# Altium PCB S7CAS-PLEIADES-CARTE-MERE_Pxx.PcbDoc (part 3 of 8)
Units mil, origin at the board's own origin, x right, y up, seen from the top; angles counter-clockwise.
Board outline 8000 x 4000 mil, 14 copper layers (L1, L2 (GND), L3, L4 (GND), L5, L6 (GND), L7 (PWR), L8 (GND), L9 (PWR), L10 (GND), L11 (GND), L12, L13 (GND), L14), stack 81.971 mil thick; 686 components, 434 nets, 2811 pads, 1136 vias.
Unrouted connection lines stored in the file: 1167.
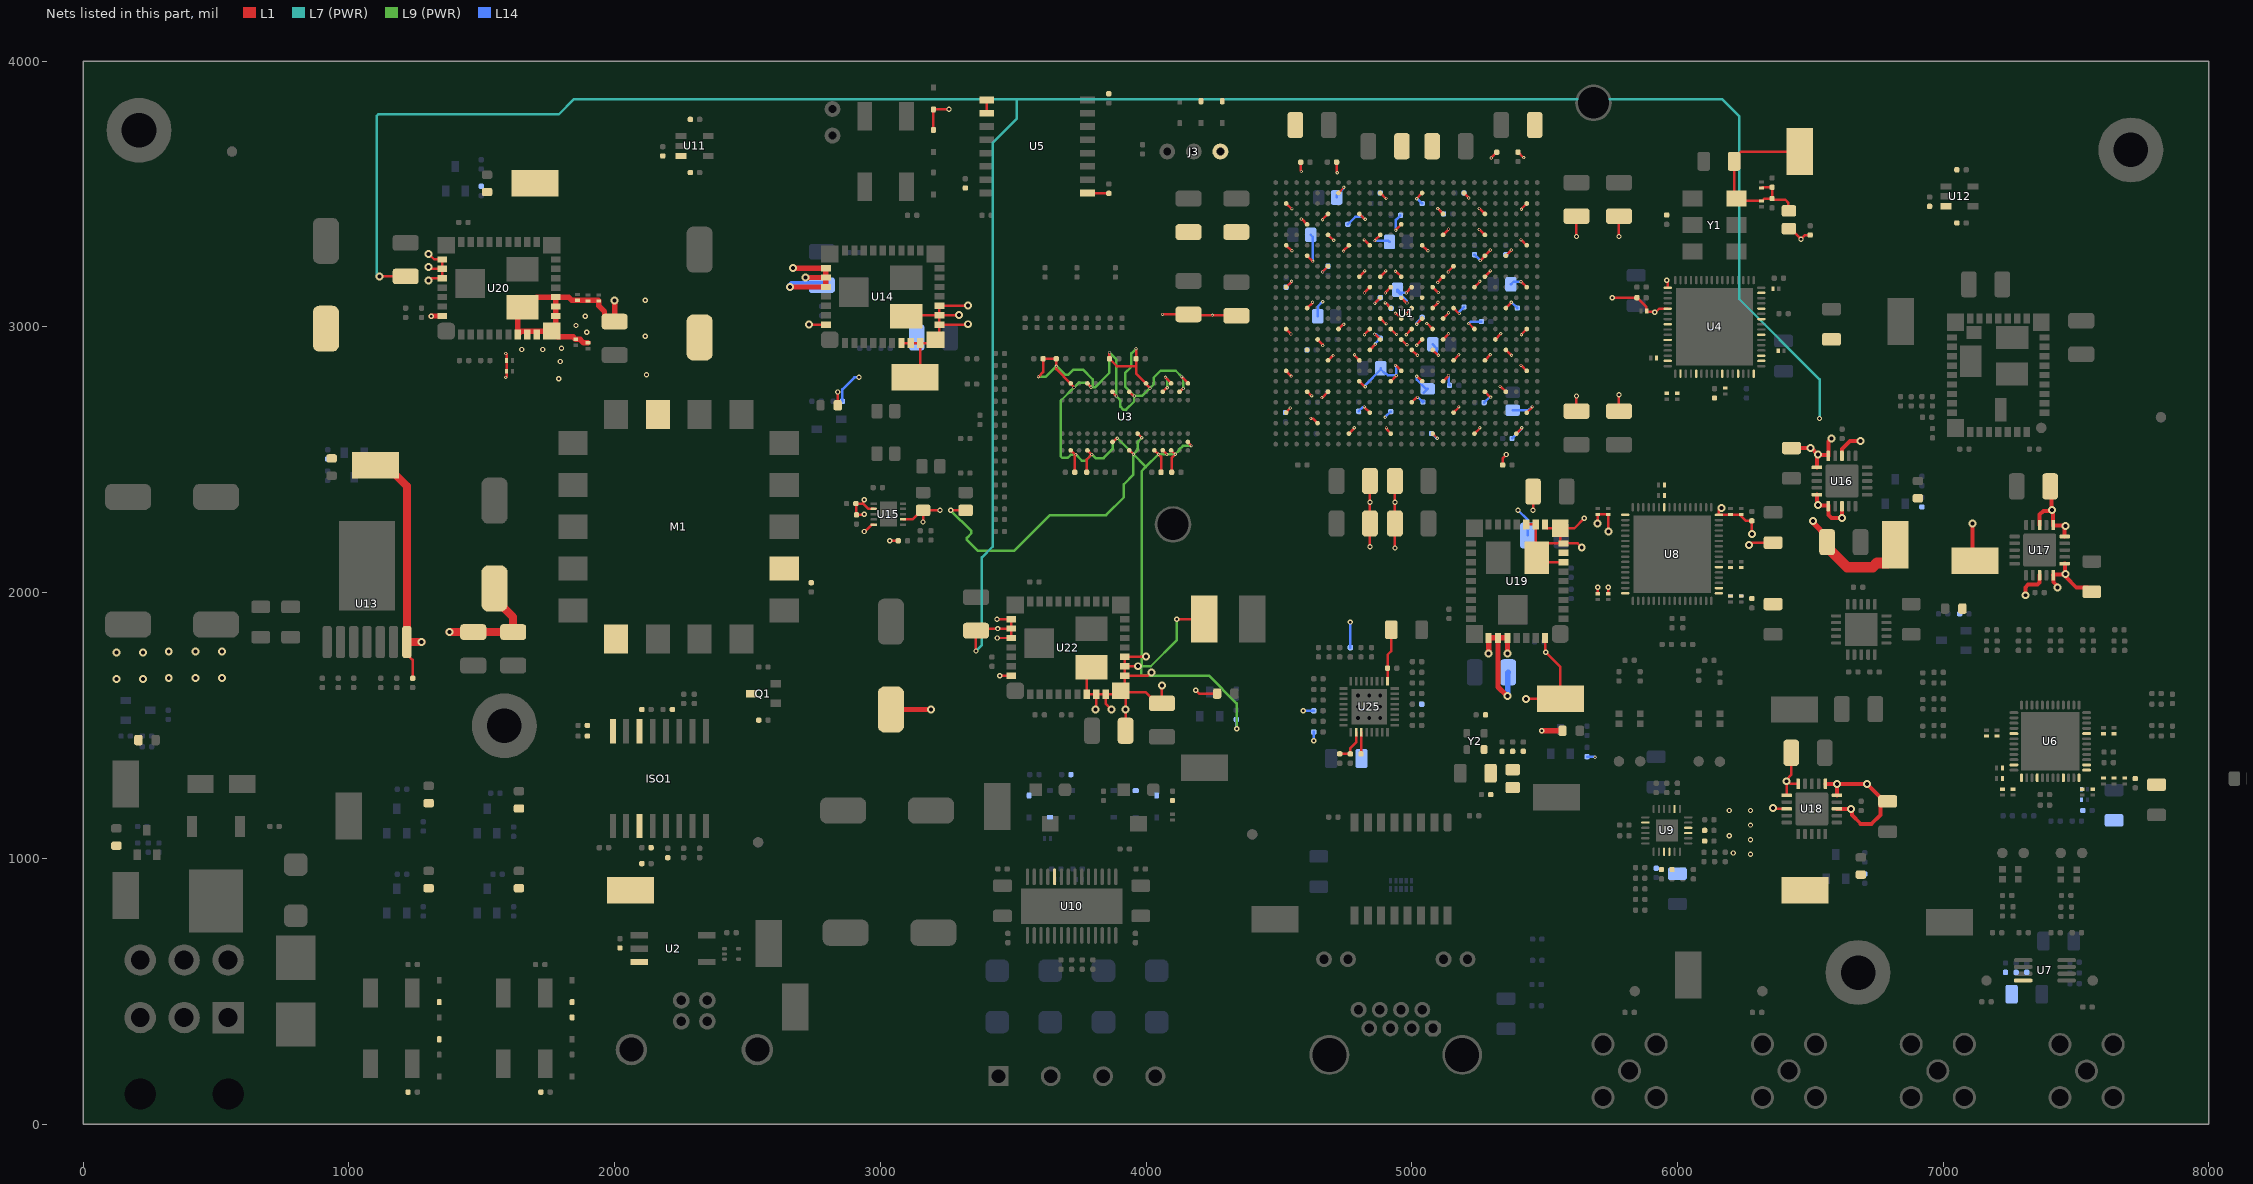
[diagram p14: the nets of this part, all layers, seen from the top]

## Part data (continued)
C192 C193 C194 C195 C196 C197 C226: library part "CAP - 0603", "CAP - 0402", Supplier Part Number 1=GRM188R71H224KAC4D, Voltage=50V, CreatedBy="Jonathan Bouchard", Package=0402, Precision=10%
  C192 C193 C194 C195 C196 C197: Supplier 1="Arrow Electronic"
  C226: Supplier 1="Arrow Electronics"
C198 C199 C235 C247 C250 C259 C267: library part CAP_ALU_MAL215099101E3, "CAP - ALU 100uF 20% 50V - 1010", Current=490mA, Package=1010, Supplier Part Number 1=4399PHDKR-ND, Temperature="-55°C to 125°C", Voltage=50V, CreatedBy="Jonathan Bouchard", HelpURL=http://www.vishay.com/docs/28395/150crz.pdf, Mfg="Vishay Dale", Mfg Part Number=MAL215099101E3, Precision=20%, Supplier 1=Digikey
C211: library part "CAP - 0603", "CAP - 0402", Supplier Part Number 1=80-C0603C102K4R, Voltage=16V, CreatedBy="Jonathan Bouchard", Package=0402, Precision=10%, Supplier 1=Mouser
C221 C229 C245: library part "CAP - 0603", "CAP - 0402", Supplier Part Number 1=GRM188R61H225KE11D, Voltage=50V, CreatedBy="Jonathan Bouchard", Package=0402, Precision=10%, Supplier 1="Arrow Electronics"
C236 C253: library part CAP_ALU_MAL214699501E3, "CAP - ALU 330uF 20% 16V - 1010", Current=750mA, Package=1010, Supplier Part Number 1=4405PHCT-ND, Temperature="-55°C to 125°C", Voltage=16V, CreatedBy="Jonathan Bouchard", HelpURL=http://www.vishay.com/docs/28403/146cti.pdf, Mfg="Vishay Dale", Mfg Part Number=MAL214699501E3, Precision=20%, Supplier 1=Digikey
C237: library part CAP_ALU_MAL214699108E3, "CAP - ALU 470uF 20% 50V - 1616", Current=1.3A, Package=1616, Supplier Part Number 1=4442PHCT-ND, Temperature="-55°C to 125°C", Voltage=50V, CreatedBy="Jonathan Bouchard", HelpURL=http://www.vishay.com/docs/28403/146cti.pdf, Mfg="Vishay Dale", Mfg Part Number=MAL214699108E3, Precision=20%, Supplier 1=Digikey
C249: library part CAP_ALU_MAL215099101E3, "CAP - ALU 100uF 20% 50V - 1010", Current=490mA, Supplier Part Number 1=4399PHDKR-ND, Temperature="-55°C to 125°C", CreatedBy="Jonathan Bouchard", HelpURL=http://www.vishay.com/docs/28395/150crz.pdf, Mfg="Vishay Dale", Mfg Part Number=MAL215099101E3, Supplier 1=Digikey
C284 C285: library part "CAP - 0603", Package=0402, Supplier Part Number 1=GRM188R61H225KE11D, Voltage=50V, CreatedBy="Jonathan Bouchard", Precision=10%, Supplier 1="Arrow Electronics"
C288: library part "CAP - 0603", Package=0402, Supplier Part Number 1=CL10B105MO8NNWC, Voltage=16v, CreatedBy="Jonathan Bouchard", Precision=10%, Supplier 1="Arrow Electronics"
C289 C290 C291 C292 C293: Package=0805, Supplier Part Number 1=CL31A106MBHNNNE, Voltage=50V, CreatedBy="Jonathan Bouchard", Precision=10%, Supplier 1=Avnet
C299 C301: library part "CAP - 0603", Package=0402, Supplier Part Number 1=CL10B104KO8NNNC, Voltage=16V, CreatedBy="Jonathan Bouchard", Precision=10%, Supplier 1="Arrow Electronics"
D1 D2 D3 D5 D6 D7 D12 D13 D14 D15 D16 D17 D22 D23 D24 D25 D26 D27: library part TVS_SP4020-01FTG, "TVS - 3.3VWM 21.8V (Typ) Clamp 30A (8/20µs) Ipp Tvs Diode Surface Mount SOD-323", Supplier Part Number 1=6058247, GRAMS Lib Spec=2.7, Supplier 1="Future Electronics"
D4: library part TVS_USB_TPD2E001DRLR, "TVS - USB TVS DIODE 5.5V - SOT-553", Manufacturer #1="Texas Instruments", Package=SOT-553, Supplier Part Number 1=296-21883-1-ND, Temperature="-40°C ~ 85°C (TA)", Voltage Rating="5.5V (Max)", Assembly Type=SMD, CreatedBy/Date="Jonathan Bouchard 2018-07-10", Cryo=UNKNOWN, GRAMS Lib Spec=2.8, HelpURL=http://www.ti.com/lit/ds/symlink/tpd2e001.pdf, Magnetic Material=YES, Part Number #1=TPD2E001DRLR, Polarized=YES, Supplier 1=Digi-Key, VerifiedBy="Arnaud Samson 16-07-18"
D8 D9 D10 D11 D29: library part TVS_PWR_SMBJ24CA, "TVS - 24V 26.7V 600W - DO214AA", Current Rating=15.5A, Manufacturer #1="Littelfuse Inc.", Package=DO214AA, Power Max=600W, Supplier Part Number 1=SMBJ24CALFCT-ND, Temperature="-65°C ~ 150°C (TJ)", Voltage Rating="24V Standoff", Assembly Type=SMD, CreatedBy/Date="Arnaud Samson - 06/07/18", Cryo=UNKNOWN, GRAMS Lib Spec=2.8, HelpURL=http://www.littelfuse.com/~/media/electronics/datasheets/tvs_diodes/littelfuse_tvs_diode_smbj_datasheet.pdf.pdf, Magnetic Material=UNKNOWN, Part Number #1=SMBJ24CA, Polarized=NO, Supplier 1=Digi-Key, VerifiedBy="Jonathan Bouchard - 2018-07-13"
D18 D19 D31 D32 D33 D34 D35 D36 D37 D38 D39 D40: library part LED_SML-311UTT86, "LED - 620nM RED 2mA - 0603", Current=2mA, Package=0603, Power=44mW, Supplier Part Number 1=511-1304-1-ND, Temperature="-30°C to 85°C", Voltage=1.8V, CreatedBy="Jonathan Bouchard", HelpURL=http://media.digikey.com/pdf/Data%20Sheets/Rohm%20PDFs/SML-311%20Series.pdf, Mfg="ROHM Semiconductor", Mfg Part Number=SML-311UTT86, Supplier 1=Digikey
D20 D21: library part LED_SML-311DTT86, "LED - 611nM ORANGE 2mA - 0603", Current=2mA, Package=0603, Power=44mW, Supplier Part Number 1=511-1303-1-ND, Temperature="-40°C to 85°C", Voltage=1.8V, CreatedBy="Jonathan Bouchard", HelpURL=http://media.digikey.com/pdf/Data%20Sheets/Rohm%20PDFs/SML-311%20Series.pdf, Mfg="ROHM Semiconductor", Mfg Part Number=SML-311DTT86, Supplier 1=Digikey
D28: library part "ZENER - SMAZ15-13-F", "ZENER - Zener Diode 15 V 1 W ±5% Surface Mount SMA", Reverse Voltage=15V, Supplier Part Number 1=2124428, Supplier 1="Future Electronics"
D30: library part TVS_DATA_TPD4E05U06, "TVS - TVS DIODE 5.5VWM 14VC - 10SON", Current Rating="2.5A (8/20µs)", Manufacturer #1="Texas Instruments", Package=10-USON, Part Number #1=TPD4E05U06DQAR, Power Max="40 W (peak)", Supplier Part Number 1=296-35765-1-ND, Temperature="-40°C ~ 125°C", Voltage Rating="6V (Breakdown)", Assembly Type=SMD, CreatedBy/Date="Olivier Bernard / 12/3/2018", Cryo=UNKNOWN, GRAMS Lib Spec=2.8, HelpURL=http://www.ti.com/lit/ds/symlink/tpd4e05u06.pdf, Magnetic Material=UNKNOWN, Polarized=YES, Supplier 1=Digi-Key, VerifiedBy="Caroline Paulin / 4 juillet 2018"
F1: library part FUS_0154005.DR, "FUS - 5 A 125 VAC/VDC - 2-SMD", Current Rating=5A, Manufacturer #1="Littelfuse Inc.", Package=2-SMD, Supplier Part Number 1=F1228CT-ND, Temperature="-55°C ~ 125°C", Voltage Rating=125V, Assembly Type=SMD, CreatedBy/Date="Arnaud Samson - 06/07/18", Cryo=UNKNOWN, GRAMS Lib Spec=2.8, HelpURL=http://www.littelfuse.com/~/media/electronics/datasheets/fuses/littelfuse_fuse_154_154t_154l_154tl_datasheet.pdf.pdf, Magnetic Material=UNKNOWN, Part Number #1=0154005.DR, Polarized=NO, Supplier 1=Digi-Key, VerifiedBy="Jonathan Bouchard 2018-07-16"
FID1 FID2 FID3 FID4: library part FID_CIRCLE_1MM_PASTE_MASK, "FID - FIDUCIAL 1MM CIRCLE DOUBLE-SIDED - 1MM", Package="1MM CIRCLE", Assembly Type=NONE, CreatedBy/Date="Jonathan Bouchard 2018-07-23", Cryo=UNKNOWN, GRAMS Lib Spec=2.8, HelpURL=https://www.pcb-3d.com/wordpress/wp-content/uploads/ipc-sm-782a_amendment_1_and_2.pdf, Magnetic Material=NO, VerifiedBy="Caroline Paulin - 25 juillet 2018"
HEAT1: library part HEATSINK_ATS-H1-164-C2-R0, "Heatsink Aluminium", Mfr="Advanced Thermal Solutions Inc.", Supplier Part Number 1=ATS36354-ND, Thermal Resistance="2.41°C/W @ 100LFM", ComponentLink1Description=Digikey, ComponentLink1URL=https://www.digikey.com/en/products/detail/advanced-thermal-solutions-inc/ATS-H1-164-C2-R0/4624459, ComponentLink2Description=Mfr, ComponentLink2URL=https://www.qats.com/Online-PushPin/ATS-H1-164-C2-R0, Fin Height=35mm, Hole Size=3mm, Hole-to-hole=70.71mm, Length=45mm, Material=Aluminium, Supplier 1=Digikey, Width=45mm
ISO1: library part ISO_ADUM3160BRWZ-RL, "ISO - DGTL ISO 2.5KV 2CH USB - 16SOIC", Manufacturer #1="Analog Devices", Package=16-SOIC, Supplier Part Number 1=ADUM3160BRWZ-RLCT-ND, Temperature="-40°C ~ 105°C", Voltage Rating=3~5.5V, Assembly Type=SMD, CreatedBy/Date="Tommy Rossignol 2018-11-16", Cryo=UNKNOWN, GRAMS Lib Spec=2.8, HelpURL=https://www.analog.com/media/en/technical-documentation/data-sheets/ADuM3160.pdf, Magnetic Material=UNKNOWN, Part Number #1=ADUM3160BRWZ-RL, Polarized=Yes, Supplier 1=Digi-Key, VerifiedBy="Caroline Paulin - 13 février 2019"
J1: library part "MALE HEADER - 1x2 2.54mm", "MALE HEADER - 2.54mm 1x2", GRAMS Lib Spec=2.7
J2: library part CON_USB_USB-B-S-F-B-TH, "CON - USB B RECPT TH R/A - 4-TH", Manufacturer #1="Samtec Inc.", Package=4-TH, Supplier Part Number 1=SAM10867-ND, Temperature="-50°C ~ 85°C", Voltage Rating=30VAC, Assembly Type=TH, CreatedBy/Date="Jonathan Bouchard 2020-03-24", Cryo=UNKNOWN, GRAMS Lib Spec=2.8c, HelpURL=http://suddendocs.samtec.com/catalog_english/usb_b.pdf, Magnetic Material=UNKNOWN, Part Number #1=USB-B-S-F-B-TH, Polarized=YES, Supplier 1=Digi-Key, VerifiedBy="C.Paulin - 22/04/2020"
J3: library part "MALE HEADER - 1x3 2.54mm", "MALE HEADER - 2.54mm 1x2", GRAMS Lib Spec=2.7
J4 J5 J6 J7: library part CONN_SMA_5-1814400-1, "CONN -  SMA JACK R/A 50 OHM - TH", Package=TH-5, Supplier Part Number 1=A97593-ND, Temperature="-55°C ~ 85°C", CreatedBy="Jonathan Bouchard", HelpURL=http://www.te.com/commerce/DocumentDelivery/DDEController?Action=srchrtrv&DocNm=1814400&DocType=Customer+Drawing&DocLang=English, Mfg="TE Connectivity AMP Connectors", Mfg Part Number=5-1814400-1, Supplier 1=Digikey
J8: library part CONN_TERMINAL_OSTTC040162, "CONN -  TERMINAL BLOCK 4POS 5MM - TH", Package=TH-4, Supplier Part Number 1=ED2602-ND, Temperature="-30°C ~ 105°C", CreatedBy="Jonathan Bouchard", HelpURL=http://www.on-shore.com/wp-content/uploads/2015/09/osttcxx0162.pdf, Mfg="On Shore Technology Inc.", Mfg Part Number=OSTTC040162, Supplier 1=Digikey
J9: library part CON_MINIFIT_0039300060, "CON - Mini-Fit Through Hole, Right Angle 6 position", Current Rating=8A, Manufacturer #1=Molex, Package=TH, Supplier Part Number 1=WM21353-ND, Temperature="- 40°C to + 80°C", Voltage Rating=600V, Assembly Type=TH, CreatedBy/Date="Joel Lemay 2018-06-21", Cryo=UNKNOWN, GRAMS Lib Spec=2.8, HelpURL=https://www.molex.com/pdm_docs/sd/039300060_sd.pdf, Magnetic Material=Unknown, Part Number #1=0039300060, Polarized=Yes, Supplier 1=Digi-Key, VerifiedBy="Caroline Paulin - 10 sept 2018"
J10: library part CONN_ETHERNET_RJHSE-5385, "CONN - MOD JACK RJ45 R/A ETHERNET - TH", Package=TH-12, Supplier Part Number 1=RJHSE-5385-ND, Temperature="-55°C ~ 85°C", CreatedBy="Jonathan Bouchard", HelpURL=https://www.amphenolcanada.com/ProductSearch/drawings/AC/RJHSE538X.pdf, Mfg=Amphenol, Mfg Part Number=RJHSE-5385, Supplier 1=Digikey
L1 L2 L3 L4: library part "INDUCT - 0402", GRAMS Lib Spec=2.7, Saturation Val=[SATURATION]
L5 L6 L7 L8: library part "INDUCT - 0402", Supplier Part Number 1=81-LQW15AN40NG00D, GRAMS Lib Spec=2.7, Saturation Val=[SATURATION], Supplier 1=Mouser
L9 L10 L11: Current=2.5A, Mfg Part Number=MPZ2012S331AT000, Package=0805, CreatedBy="Jonathan Bouchard", Mfg="TDK Corporation", Supplier 1="Arrow Electronics", Supplier Part Number 1=MPZ2012S331AT000
M1: library part MOD_JTAG_410-357-B, "MOD - JTAG-SMT3-NC Programming Module For Xilinx FPGA - 18-SMT", Manufacturer #1=Digilent, Package="18-pad SMT", Supplier Part Number 1=1286-1196-ND, Temperature="-40°C ~ 85°C", Voltage Rating="VDD: 2.97V~3.63V, VJTAG/VUART: 1.65V~5.5V", Assembly Type=SMD, CreatedBy/Date="Tommy Rossignol 2018-11-23", Cryo=UNKNOWN, GRAMS Lib Spec=2.8, HelpURL=https://reference.digilentinc.com/_media/reference/programmers/jtag-smt3/jtag-smt3-nc_rm.pdf, Magnetic Material=Unknown, Note="Prior to reflow, the JTAG-SMT3-NC module must be dried at 125°C for 17 hours", Part Number #1=410-357-B, Polarized=Yes, Supplier 1=Digi-Key, VerifiedBy="Nicolas V. (2019-01-28)"
MTH1 MTH2 MTH3 MTH4: library part MTH_M3, "MTH - MOUNTING HOLE M3 PLATED - M3", Assembly Type=NONE, CreatedBy/Date="Jonathan Bouchard 2018-07-23", Cryo=UNKNOWN, GRAMS Lib Spec=2.8, HelpURL=https://littlemachineshop.com/images/gallery/PDF/TapDrillSizes.pdf, Magnetic Material=NO, Package=M3, VerifiedBy="Arnaud Samson 23-07-18"
Q1: library part MOS_P_CHANNEL, "P-Channel  Enhancement Mode Field Effect Transistor", Current=[Current], Supplier Part Number 1=2984037, Supplier 1="Future Electronics"
Q2 Q3 Q4 Q5 Q7 Q8 Q9 Q10 Q11 Q12 Q13 Q14 Q15 Q16: library part MOS_N_CHANNEL, "N-Channel  Enhancement Mode Field Effect Transistor", Current=850mA, Supplier 1=Avnet, Supplier Part Number 1=BSH103,215
Q6: library part MOS_P_CHANNEL, "P-Channel  Enhancement Mode Field Effect Transistor", Current=[Current], Supplier Part Number 1=781-SUD50P06-15L-E3, Supplier 1=Mouser
R1 R50 R169: "RES - 0402", Package=0402, Supplier Part Number 1=RMCF0603FT240R, CreatedBy="Jonathan Bouchard", Precision=1%, Supplier 1="Arrow Electronics"
R2 R3 R5 R6 R11 R127 R128 R192: "RES - 0402", Package=0402, Supplier Part Number 1=RMCF0603FT4K70, CreatedBy="Jonathan Bouchard", Precision=1%, Supplier 1="Arrow Electronics"
R4 R181: "RES - 0402", Package=0402, Supplier Part Number 1=RMCF0603FT330R, CreatedBy="Jonathan Bouchard", Precision=1%, Supplier 1="Arrow Electronics"
R7 R8 R9 R12 R25 R26 R48 R51 R115 R191 R229: "RES - 0402", Package=0402, Supplier Part Number 1=RMCF0603ZT0R00, CreatedBy="Jonathan Bouchard", Precision=1%, Supplier 1="Arrow Electronics"
R10 R183: "RES - 0402", Package=0402, Supplier Part Number 1=603-RC0603FR-132K4L, CreatedBy="Jonathan Bouchard", Precision=1%, Supplier 1=Mouser
R13 R14 R15 R16 R23 R24 R55 R91 R146 R148 R195: "RES - 0402", Package=0402, Supplier Part Number 1=RMCF0603FT10K0, CreatedBy="Jonathan Bouchard", Precision=1%, Supplier 1="Arrow Electronics"
R17 R18 R19 R20 R179: Package=0402, Power=1/16W, Supplier Part Number 1=RC0402FR-0724RL, Voltage=50V, CreatedBy="Jonathan Bouchard", Precision=1%, Supplier 1="Arrow Electronics"
R21 R49 R131 R132 R135 R136 R190 R254: "RES - 0402", Package=0402, Supplier Part Number 1=RMCF0603FT100R, CreatedBy="Jonathan Bouchard", Precision=1%, Supplier 1="Arrow Electronics"
R22 R171: Package=0402, Power=1/16W, Supplier Part Number 1=2019-RN73H1ETTP1141F50CT-ND, Voltage=50V, CreatedBy="Jonathan Bouchard", Precision=1%, Supplier 1=Digikey
R27 R28 R29 R30 R31 R32 R33 R34 R35 R36 R37 R38 R39 R40 R41 R42 R43 R44 R45 R46 R47 R112 R114 R118 R122 R167 R208 R209 R210 R211 R212 R213 R214 R215 R216 R217 R220 R221 R222 R223 R224 R225 R226 R227: "RES - 0402", Package=0402, Supplier Part Number 1=RMCF0603FT30R0, CreatedBy="Jonathan Bouchard", Precision=1%, Supplier 1="Arrow Electronics"
R52 R53 R54: "RES - 0402", Package=0402, Supplier Part Number 1=71-CRCW0603-10K-E3, CreatedBy="Jonathan Bouchard", Precision=1%, Supplier 1=Mouser
R56 R140 R182 R205 R206 R207 R218: "RES - 0402", Package=0402, Supplier Part Number 1=RMCF0603FT1K00, CreatedBy="Jonathan Bouchard", Precision=1%, Supplier 1="Arrow Electronics"
R57 R58 R59 R62 R63 R65 R66 R71 R77 R78 R81 R83 R85 R86 R123 R124 R125 R126: "RES - 0402", Package=0402, CreatedBy="Jonathan Bouchard", Precision=1%
R60 R61 R64 R67 R68 R69 R70 R72 R73 R74 R75 R76 R79 R80 R82 R84 R87 R88 R89 R90 R92 R93 R110 R111 R200: "RES - 0402", Package=0402, Supplier Part Number 1=667-ERJ-3EKF49R9V, CreatedBy="Jonathan Bouchard", Precision=1%, Supplier 1=Mouser
R94 R95 R96 R97 R98 R99 R100 R101 R102 R103 R104 R105 R106 R107 R108 R109: "RES - 0402", CreatedBy="Jonathan Bouchard"
R113 R121: library part "POT - TOP ADJ", "POT - 0.1W, 1/10W Surface Mount Trimmer Potentiometer Cermet 1.0 Turn Top Adjustment", GRAMS Lib Spec=2.7
R116 R117 R166: Package=1206, Supplier Part Number 1=667-ERJ-8RQFR22V, CreatedBy="Jonathan Bouchard", Precision=1%, Supplier 1=Mouser
R119 R120 R197: "RES - 0402", Package=0402, Supplier Part Number 1=RMCF0603FT47K0, CreatedBy="Jonathan Bouchard", Precision=1%, Supplier 1="Arrow Electronics"
R129 R130 R133 R134 R193: "RES - 0402", Package=0402, Supplier Part Number 1=RMCF0603FT750R, CreatedBy="Jonathan Bouchard", Precision=1%, Supplier 1="Arrow Electronics"
R137 R186: "RES - 0402", Package=0402, Supplier Part Number 1=RMCF0603FT21K5, CreatedBy="Jonathan Bouchard", Precision=1%, Supplier 1="Arrow Electronics"
R138 R175: "RES - 0402", Package=0402, Supplier Part Number 1=RMCF0603FT13K0, CreatedBy="Jonathan Bouchard", Precision=1%, Supplier 1="Arrow Electronics"
R139 R187: "RES - 0402", Package=0402, Supplier Part Number 1=RMCF0603FT59K0, CreatedBy="Jonathan Bouchard", Precision=1%, Supplier 1="Arrow Electronics"
R141 R172: "RES - 0402", Package=0402, Supplier Part Number 1=94X1502, CreatedBy="Jonathan Bouchard", Precision=1%, Supplier 1=Newark
R142 R161 R189: "RES - 0402", Package=0402, Supplier Part Number 1=RMCF0603FT102K, CreatedBy="Jonathan Bouchard", Precision=1%, Supplier 1="Arrow Electronics"
R143: library part "RES - 0603", "RES - 0402", Package=0402, Supplier Part Number 1=RMCF0603FT100K, CreatedBy="Jonathan Bouchard", Precision=1%, Supplier 1="Arrow Electronics"
R144 R149 R152 R162 R196: "RES - 0402", Package=0402, Supplier Part Number 1=RMCF0603FG49K9CT-ND, CreatedBy="Jonathan Bouchard", Precision=1%, Supplier 1=Digikey
R145 R198: "RES - 0402", Package=0402, Supplier Part Number 1=738-RMCF0603FT715KCT-ND, CreatedBy="Jonathan Bouchard", Precision=1%, Supplier 1=Digikey
R147 R173: "RES - 0402", Package=0402, Supplier Part Number 1=RMCF0603FT2K87, CreatedBy="Jonathan Bouchard", Precision=1%, Supplier 1="Arrow Electronics"
R150 R163 R178: "RES - 0402", Package=0402, Supplier Part Number 1=RMCF0603FT348K, CreatedBy="Jonathan Bouchard", Precision=1%, Supplier 1="Arrow Electronics"
R151 R156 R188: "RES - 0402", Package=0402, Supplier Part Number 1=RMCF0603FT174K, CreatedBy="Jonathan Bouchard", Precision=1%, Supplier 1="Arrow Electronics"
R153 R170: "RES - 0402", Package=0402, Supplier Part Number 1=71-PAT0603E4000BST1, CreatedBy="Jonathan Bouchard", Precision=1%, Supplier 1=Mouser
R154 R184: "RES - 0402", Package=0402, Supplier Part Number 1=RMCF0603FT1K15, CreatedBy="Jonathan Bouchard", Precision=1%, Supplier 1="Arrow Electronics"
R155 R168: "RES - 0402", Package=0402, Supplier Part Number 1=738-RMCF0603FT59R0CT-ND, CreatedBy="Jonathan Bouchard", Precision=1%, Supplier 1=Digikey
R157 R176: "RES - 0402", Package=0402, Supplier Part Number 1=RMCF0603FT78K7, CreatedBy="Jonathan Bouchard", Precision=1%, Supplier 1="Arrow Electronics"
R158 R199: "RES - 0402", Package=0402, Supplier Part Number 1=RMCF0603FT332K, CreatedBy="Jonathan Bouchard", Precision=1%, Supplier 1="Arrow Electronics"
R159 R177: "RES - 0402", Package=0402, Supplier Part Number 1=RMCF0603FT93K1, CreatedBy="Jonathan Bouchard", Precision=1%, Supplier 1="Arrow Electronics"
R160 R185: "RES - 0402", Package=0402, Supplier Part Number 1=RMCF0603FT11K5, CreatedBy="Jonathan Bouchard", Precision=1%, Supplier 1="Arrow Electronics"
R164 R194: "RES - 0402", Package=0402, Supplier Part Number 1=RMCF0603FT1K65, CreatedBy="Jonathan Bouchard", Precision=1%, Supplier 1="Arrow Electronics"
R165: Package=0805, Power=1/2W, Supplier Part Number 1=HCJ0805ZT0R00, CreatedBy="Jonathan Bouchard", Precision=1%, Supplier 1="Arrow Electronics"
R174 R228: Package=0402, Power=1/16W, Supplier Part Number 1=652-CR0402-FX6491GLF, Voltage=50V, CreatedBy="Jonathan Bouchard", Precision=1%, Supplier 1=Mouser
R180 R201 R202 R203 R204: "RES - 0402", Package=0402, Supplier Part Number 1=RMCF0603FT75R0, CreatedBy="Jonathan Bouchard", Precision=1%, Supplier 1="Arrow Electronics"
R230 R231 R232 R233 R234 R235 R236 R237 R246 R248: library part "RES - 0603", Package=0402, Supplier Part Number 1=RMCF0603FT750R, CreatedBy="Jonathan Bouchard", Precision=1%, Supplier 1="Arrow Electronics"
R238 R239 R240 R241 R242 R243 R244 R245 R250 R251: library part "RES - 0603", Package=0402, Supplier Part Number 1=RMCF0603FT100R, CreatedBy="Jonathan Bouchard", Precision=1%, Supplier 1="Arrow Electronics"
R247 R249: library part "RES - 0603", Package=0402, Supplier Part Number 1=RMCF0603FT59K0, CreatedBy="Jonathan Bouchard", Precision=1%, Supplier 1="Arrow Electronics"
R252 R253: library part "RES - 0603", Package=0402, Supplier Part Number 1=RMCF0603FT10K0, CreatedBy="Jonathan Bouchard", Precision=1%, Supplier 1="Arrow Electronics"
SW1 SW2 SW3: library part SWI_TACT_B3SN-3012P, "SWI - TACT SPST-NO 0.05A 24V - 4-SMD", Current=50mA, Package=4-SMD, Supplier Part Number 1=SW261CT-ND, Temperature="-25°C ~ 70°C", Voltage=24V, CreatedBy="Jonathan Bouchard", HelpURL=http://www.omron.com/ecb/products/pdf/en-b3sn.pdf, Mfg=Omron, Mfg Part Number=B3SN-3012P, Supplier 1=Digikey
TP1 TP2 TP3 TP4 TP5 TP6 TP7 TP9 TP10 TP11 TP14 TP37: library part TPO_SMD_ROUND_1MM, "TPO - TEST POINT ROUND SMD PAD ONLY  - 1 MM", Package="1 MM ROUND", Assembly Type=NONE, CreatedBy/Date="Jonathan Bouchard 2018-07-17", Cryo=UNKNOWN, GRAMS Lib Spec=2.8, Magnetic Material=NO, VerifiedBy="Arnaud Samson 23-07-18"
TP8 TP12 TP15 TP16 TP17 TP18 TP19 TP20 TP21 TP22 TP23 TP24 TP25 TP26 TP27 TP28 TP29 TP30 TP31 TP32 TP33 TP34 TP35 TP36: library part TPO_SMD_5019, "TPO - PC TEST POINT MINI - SMD", Manufacturer #1="Keystone Electronics", Package=SMD, Supplier Part Number 1=36-5019CT-ND, Assembly Type=SMD, CreatedBy/Date="Olivier Bernard / 5/12/2017", Cryo=UNKNOWN, GRAMS Lib Spec=2.8, HelpURL=https://www.digikey.ca/product-detail/en/keystone-electronics/5019/36-5019CT-ND/3907344, Magnetic Material=UNKNOWN, Part Number #1=5019, Polarized=No, Supplier 1=Digi-Key, VerifiedBy="Caroline Paulin / 5 juillet 2018"
U1: library part FPGA_XC6SLX100-3FGG676C, "FPGA - XILINX SPARTAN 6 480 I/O - BGA-676", Package=BGA-676, Supplier Part Number 1=122-1760-ND, Temperature="0°C ~ 85°C (TJ)", Voltage="1.14 V ~ 1.26 V", CreatedBy="Jonathan Bouchard", HelpURL=https://www.xilinx.com/support/documentation/data_sheets/ds162.pdf, Mfg=Xilinx, Mfg Part Number=XC6SLX100-3FGG676C, Supplier 1=Digikey
U2: library part PHOTO_COUP_TLP2362, "ISO - Logic Output Optoisolator 10MBd Open Collector 3750Vrms 1 Channel 20kV/µs CMTI 6-SO, 5 Lead", Supplier Part Number 1=TLP2362(TPR,E, GRAMS Lib Spec=2.7, Supplier 1="Arrow Electronics"
U3: library part "MEM_DDR3_MT41J128M16JT-125:K TR", "MEM - DDR3 SDRAM 2GBIT 800MHZ - TFBGA-96", Package=TFBGA-96, Supplier Part Number 1=557-1611-1-ND, Temperature="0°C ~ 95°C (TC)", Voltage="1.425 V ~ 1.575 V", CreatedBy="Jonathan Bouchard", HelpURL=http://www.micron.com/~/media/Documents/Products/Data%20Sheet/DRAM/DDR3/2Gb_DDR3_SDRAM.pdf, Mfg=Micrel, Mfg Part Number=MT41J128M16JT-125, Supplier 1=Digikey
U4: library part TIM_CDCE62005RGZT, "TIM - CLK SYNTH JITTER CLEANER 3:5 - QFN-48", Package=QFN-48, Supplier Part Number 1=296-23947-1-ND, Temperature="-40°C ~ 85°C", Voltage="3 V ~ 3.6 V", CreatedBy="Jonathan Bouchard", HelpURL=http://www.ti.com/lit/ds/symlink/cdce62005.pdf, Mfg="Texas Instruments", Mfg Part Number=CDCE62005RGZT, Supplier 1=Digikey
U5: library part "FLASH  - M25P128-VMF6TP", "128-Mbit, low-voltage, serial flash memory / with 54-MHz SPI bus interface", Supplier Part Number 1="M25P128-VMF6TP CT-ND", GRAMS Lib Spec=2.7, Supplier 1=Digikey
U6: library part DAC_AD9146BCPZ, "DAC - 16BIT SRL HIGH SPEED - QFN-48", Package=QFN-48, Supplier Part Number 1=584-AD9146BCPZ, Temperature="-40°C ~ 85°C", Voltage="3.13 V ~ 3.47 V / 1.71 V ~ 1.89 V", CreatedBy="Jonathan Bouchard", HelpURL=http://www.analog.com/media/en/technical-documentation/data-sheets/AD9146.PDF, Mfg="Analog Devices Inc.", Mfg Part Number=AD9146BCPZ, Precision="16 Bit", Supplier 1=Mouser
U7: library part OPAMP_AD8056ARMZ, "OPAMP - VFB 300MHZ - 8MSOP", Current=60mA, Package=MSOP-8, Supplier Part Number 1=AD8056ARMZ-REEL7CT-ND, Temperature="-40°C ~ 125°C", Voltage="8 V ~ 12 V, ±4 V ~ 6 V", CreatedBy="Jonathan Bouchard", HelpURL=http://www.analog.com/media/en/technical-documentation/data-sheets/AD8055_8056.pdf, Mfg="Analog Devices", Mfg Part Number=AD8056ARMZ, Supplier 1=Digikey
U8: library part ADC_ADS62P48IRGCT, "ADC - 14 BIT 210MSPS SUAL - VQFN-64", Package=VQFN-64, Supplier Part Number 1=595-ADS62P48IRGCT, Temperature="-40°C ~ 85°C", Voltage="3.15 V ~ 3.6 V / 1.7 V ~ 1.9 V", CreatedBy="Jonathan Bouchard", HelpURL=http://www.ti.com/lit/ds/symlink/ads62p48.pdf, Mfg="Texas Instruments", Mfg Part Number=ADS62P48IRGCT, Precision="14 Bit", Supplier 1=Mouser
U9: library part OPAMP_ADA4927-2YCPZ-R2, "OPAMP - CFA 2.3GHZ - QFN-24", Current=65mA, Package=QFN-24, Supplier Part Number 1=ADA4927-2YCPZ-R2CT-ND, Temperature="-40°C ~ 105°C", Voltage="4.5 V ~ 11 V, ±2.25 V ~ 5.5 V", CreatedBy="Jonathan Bouchard", HelpURL=http://www.analog.com/media/en/technical-documentation/data-sheets/ADA4927-1_4927-2.pdf, Mfg="Analog Devices", Mfg Part Number=ADA4927-2YCPZ-R2, Supplier 1=Digikey
U10: library part POW_MOTOR_DRV8811PWPR, "POW - STEPPER MOTOR DRIVER - SOP-28", Package=SOP-28, Supplier Part Number 1=296-24591-1-ND, Temperature="-40°C ~ 150°C (TJ)", Voltage="3 V ~ 5.5 V / 8 V ~ 38 V", CreatedBy="Jonathan Bouchard", HelpURL=http://www.ti.com/lit/ds/symlink/drv8811.pdf, Mfg="Texas Instrument", Mfg Part Number=DRV8811PWPR, Supplier 1=Digikey
U11 U12: library part SENS_TEMP_TC74A0-3.3VCTTR, "SENS - TEMPERATURE SENSOR I2C/SMBUS - SOT23-5", Package=SOT23-5, Supplier Part Number 1=TC74A0-3.3VCTDKR-ND, Temperature="-40°C ~ 125°C", Voltage="2.7 V ~ 5.5 V", CreatedBy="Jonathan Bouchard", HelpURL=http://ww1.microchip.com/downloads/en/DeviceDoc/21462D.pdf, Mfg=Microchip, Mfg Part Number=TC74A0-3.3VCTTR, Precision="±2°C (±3°C)", Supplier 1=Digikey
U13: library part REG_SWR_LMZ23605TZE/NOPB, "REG - IC BUCK SYNC 36V 5A - TO-PMOD-7", Current Rating=5A, Manufacturer #1="Texas Instruments", Package=TO-PMOD-7, Supplier Part Number 1=296-35357-1-ND, Temperature="-40°C ~ 125°C", Voltage Rating="6 ~ 36 V", Assembly Type=SMD, CreatedBy/Date="Arnaud Samson - 05/07/18", Cryo=UNKNOWN, GRAMS Lib Spec=2.8, HelpURL=http://www.ti.com/lit/ds/symlink/lmz23605.pdf, Magnetic Material=YES, Note="One Reflow", Part Number #1=LMZ23605TZE/NOPB, Polarized=YES, Supplier 1=Digi-Key, VerifiedBy="Jonathan Bouchard 2018-07-13"
U14 U20: library part REG_SWR_LMZ30604, "REG SWR - Non-Isolated PoL Module DC DC Converter 1 Output 0.8 ~ 3.6V 4A 2.95V - 6V Input", Supplier Part Number 1=595-LMZ30604RKGR, GRAMS Lib Spec=2.7, Supplier 1=Mouser
U15: library part REG_PMIC_TPS51200DRCT, "REG - DDR TERMINATION/REF REG - 10-VFDFN", Current Rating="Source: 3A~4.5A, Sink: 3.5A~5.5A", Manufacturer #1="Texas Instruments", Package=10-VFDFN, Supplier Part Number 1=296-23830-1-ND, Temperature="-40°C ~ 85°C", Voltage Rating="2.375V ~ 3.5V", Assembly Type=SMD, CreatedBy/Date="Joel Lemay 2019-03-19", Cryo=UNKNOWN, GRAMS Lib Spec=2.8, HelpURL=http://www.ti.com/lit/ds/symlink/tps51200.pdf, Magnetic Material=Unknown, Part Number #1=TPS51200DRCT, Polarized=Yes, Supplier 1=Digi-Key, VerifiedBy="Nicolas V. (2019-05-31)"
U16 U17 U18: library part REG_LDO_TPS7A4701RGWR, "REG - LINEAR POS ADJ 1A - 20VQFN", Current Rating=1A, Manufacturer #1="Texas Instruments", Manufacturer #2=TBD, Package="20-VQFN Exposed Pad", Supplier Part Number 1=296-37224-1-ND, Temperature="-40°C ~ 125°C", Tolerance=-, Voltage Rating="35V max", Assembly Type=SMD, CreatedBy/Date="L-P Gauthier / 2018-05-29", Cryo=UNKNOWN, GRAMS Lib Spec=2.8, HelpURL=http://www.ti.com/lit/ds/symlink/tps7a47.pdf, Magnetic Material=Unknown, Part Number #1=TPS7A4701RGWR, Part Number #2=TBD, Polarized=Yes, Supplier 1=Digi-Key, VerifiedBy="Caroline Paulin - 28 sept 2018"
U19 U22: library part REG_SWR_LMZ30602, "REG SWR - Non-Isolated PoL Module DC DC Converter 1 Output 0.8 ~ 3.6V 2A 2.95V - 6V Input", Supplier Part Number 1=595-LMZ30602RKGT, GRAMS Lib Spec=2.7, Supplier 1=Mouser
U21: library part REG_SWR_LMZ34002RKGR, "REG - DC DC Converter -3V to -17V 2A - 41-B1QFN", Current Rating=2A, Manufacturer #1="Texas Instruments", Package=41-B1QFN, Power Max=15W, Supplier Part Number 1=296-44356-1-ND, Temperature="-40°C ~ 85°C", Voltage Rating=4.5-40V, Assembly Note="One reflow only", Assembly Type=SMD, CreatedBy/Date="P.Marcoux  20-06-2019", Cryo=UNKNOWN, GRAMS Lib Spec=2.8c, HelpURL=http://www.ti.com/lit/ds/symlink/lmz34002.pdf, Magnetic Material=Unknown, Part Number #1=LMZ34002RKGR, Polarized=Yes, Supplier 1=Digi-Key, VerifiedBy="C.Paulin - 22/01/2020"
U23: library part REG_LDO_TPS7A3301RGWR, "REG - LDO Negative Adjustable 1 Output -1.18V-33V 1A -  20-VQFN (5x5)", Current Rating=1A, Manufacturer #1="Texas Instruments", Package=20-VQFN, Supplier Part Number 1=296-39502-1-ND, Temperature="-40°C ~ 125°C", Voltage Rating=-36V, Assembly Type=SMD, CreatedBy/Date="Keven Deslandes - 2018/10/11", Cryo=UNKNOWN, GRAMS Lib Spec=2.8, HelpURL=http://www.ti.com/lit/ds/symlink/tps7a33.pdf, Magnetic Material=Unknown, Part Number #1=TPS7A3301RGWR, Polarized=Yes, Supplier 1=Digi-Key, VerifiedBy="Caroline Paulin - 11/12/2018"
U24: library part ISO_PT61017PEL, "ISO - 350µH LAN 10/100 Base-T Pulse Transformer 1CT:1CT Surface Mount", GRAMS Lib Spec=2.7, Supplier 1="Arrow Electronics", Supplier Part Number 1=PT61017PEL
U25: library part COM_ETH_PHY_KSZ8091MNXCA, "COM - ETHERNET PHY 10/100 - QFN-32", Package=QFN-32, Supplier Part Number 1=576-4356-ND, Temperature="0°C ~ 70°C", Voltage="1.8V, 2.5V, 3.3V", CreatedBy="Jonathan Bouchard", HelpURL=http://ww1.microchip.com/downloads/en/DeviceDoc/00002275A.pdf, Mfg=Micrel, Mfg Part Number=KSZ8091MNXCA, Supplier 1=Digikey
Y1: library part OSC_590BD-BDG, "TIM - OSC PROG 125MHz ~ 214.999MHz LVDS 3.3V 7PPM EN/DS - 6-SMD", Current Rating="100 mA (supply)", Manufacturer #1="Silicon Labs", Package=6-SMD, Supplier Part Number 1=590BD-BDG-ND, Temperature="-40°C ~ 85°C", Voltage Rating="3.3V (supply)", Assembly Type=SMD, CreatedBy/Date="from 590BD-CDG", Cryo=UNKNOWN, GRAMS Lib Spec=2.8, HelpURL=https://www.silabs.com/documents/public/data-sheets/Si590-591.pdf, Magnetic Material=UNKNOWN, Note="Spécifié la fréquence lors de la commande", Part Number #1=590BD-BDG, Polarized=Yes, Supplier 1=Digi-Key, VerifiedBy="Caroline Paulin / 3/10/2019"
Y2: library part OSC_ASDMB-25.000MHZ-LC-T, "OSC - 25MHz XO (Standard) LVCMOS - 4-SMD, No Lead", Manufacturer #1="Abracon LLC", Package="4-SMD, No Lead", Supplier Part Number 1=535-11730-1-ND, Temperature="-40°C ~ +85°C", Tolerance=±50ppm, Voltage Rating="1.8V ~ 3.3V", Assembly Type=SMD, CreatedBy/Date="Joël Lemay 2019-03-29", Cryo=UNKNOWN, GRAMS Lib Spec=2.8, HelpURL=https://abracon.com/Oscillators/ASDMB.pdf, Magnetic Material=Unknown, Part Number #1=ASDMB-25.000MHZ-LC-T, Polarized=Yes, Supplier 1=Digi-Key, VerifiedBy="C. Paulin - 29 mai 2019"

## Via types
v1: diameter 12, hole 6, L1 to L14, tented both sides, 492 vias
v2: diameter 30, hole 15, L1 to L14, tented both sides, 226 vias
v3: diameter 20, hole 10, L1 to L14, tented both sides, 208 vias
v4: diameter 19.68, hole 7.87, L1 to L14, tented both sides, 106 vias
v5: diameter 19.68, hole 11.81, L1 to L14, tented both sides, 48 vias
v6: diameter 22, hole 12, L1 to L14, tented both sides, 27 vias
v7: diameter 19.68, hole 11.81, L1 to L14, 15 vias
v8: diameter 28, hole 14, L1 to L14, tented both sides, 10 vias
v9: diameter 19.68, hole 7.87, L1 to L14, 4 vias

## Nets (pads, with @x,y where several pads share a name; then routed paths per layer and width w, separated by ;. In a path a pad name is that pad's centre, name@x,y a point inside that pad or via, vN(x,y) a via of type N, cw(c..) or ccw(c..) an arc to the next point about the centre after c; other vN are vias at no path point)
1V2_PHY_INTERNALS: C245.2 C246.2 U25.2 | length 129.9
  L1 w9.39: C245.2@4729.05,1393.01 C246.2@4769.05,1393.01 4769.05,1414.8 4790.79,1436.54 U25.2@4790.79,1473.86
1V2_VCCINT: C23.2 C24.2 C25.2 C26.2 C27.2 C28.2 C29.2 C30.2 C266.2 R242.2 TP26.1 U1.K11 U1.K17 U1.L10 U1.L12 U1.L14 U1.L16 U1.M11 U1.M13 U1.M15 U1.N12 U1.N14 U1.N16 U1.P11 U1.P13 U1.P15 U1.R12 U1.R14 U1.R16 U1.T11 U1.T13 U1.T15 U1.T17 U1.U10 U1.U16 U14.8 U14.9 U14.10 U14.11 U14.12 U14.13 U14.14 U14.36 U14.38 | length 2013.2
  L1 w9.39: v2(2731.41,3008.59) U14.36@2795.24,3008.59 ; U14.8@3079.69,2938.7 U14.9@3115.12,2938.7 U14.10@3150.55,2938.7 ; U14.38@3097.4,3040.48 3100.94,3044.02 U14.13@3222.4,3044.02 ; TP26.1@3130,2810 3150.55,2830.55 U14.10@3150.55,2938.7 ; v2(3295.98,3044.02) U14.13@3222.4,3044.02 ; v2(3330,3010) 3328.59,3008.59 U14.12@3222.4,3008.59 ; v2(3330,3080) 3329.45,3079.45 U14.14@3222.4,3079.45 U14.13@3222.4,3044.02 ; v1(4822.24,3127.74) 4822.74,3128.24 4822.74,3129.83 U1.T17@4842.51,3149.6 ; U1.K17@4842.51,2913.38 4862.28,2933.15 4862.28,2934.74 v1(4862.78,2935.24) ; v1(4860.02,2973.02) 4860.52,2972.52 4862.11,2972.52 U1.L16@4881.88,2952.75 ; v1(4861.61,3088.37) 4862.11,3088.87 4862.11,3090.46 U1.R16@4881.88,3110.23 ; U1.N16@4881.88,3031.49 4901.65,3011.72 4903.24,3011.72 v1(4903.74,3011.22) ; U1.U16@4881.88,3188.97 4901.65,3208.74 4901.65,3210.33 v1(4902.15,3210.83) ; v1(4900.64,3090.27) 4901.14,3089.77 4902.73,3089.77 U1.P15@4922.5,3070 ; v1(4900.98,3127.74) 4901.48,3128.24 4901.48,3129.83 U1.T15@4921.25,3149.6 ; U1.M15@4921.25,2992.12 4941.02,2972.35 4942.61,2972.35 v1(4943.11,2971.85) ; v1(4938.76,3051.76) 4939.26,3051.26 4940.85,3051.26 U1.N14@4960.62,3031.49 ; U1.L14@4960.62,2952.75 4980.39,2932.98 4981.98,2932.98 v1(4982.48,2932.48) ; U1.R14@4960.62,3110.23 4980.39,3090.46 4981.98,3090.46 v1(4982.48,3089.96) ; v1(4979.72,2970.26) 4980.22,2970.76 4980.22,2972.35 U1.M13@4999.99,2992.12 ; v1(4979.72,3049) 4980.22,3049.5 4980.22,3051.09 U1.P13@4999.99,3070.86 ; v1(4979.72,3127.74) 4980.22,3128.24 4980.22,3129.83 U1.T13@4999.99,3149.6 ; v1(5019.09,2930.89) 5019.59,2931.39 5019.59,2932.98 U1.L12@5039.36,2952.75 ; v1(5019.09,3009.63) 5019.59,3010.13 5019.59,3011.72 U1.N12@5039.36,3031.49 ; v1(5056.87,3012.39) 5057.37,3011.89 5058.96,3011.89 U1.M11@5078.73,2992.12 ; U1.K11@5078.73,2913.38 5098.5,2893.61 5100.09,2893.61 v1(5100.59,2893.11) ; U1.P11@5078.73,3070.86 5098.5,3090.63 5098.5,3092.22 v1(5099,3092.72) ; U1.T11@5078.73,3149.6 5098.5,3129.83 5100.09,3129.83 v1(5100.59,3129.33) ; v1(5097.83,3167.11) 5098.33,3167.61 5098.33,3169.2 U1.U10@5118.1,3188.97 ; U1.L10@5118.1,2952.75 5137.87,2972.52 5137.87,2974.11 v1(5138.37,2974.61) ; U14.10@3150.55,2938.7 3194.84,2938.7 U14.11@3207.64,2951.5 3222.4,2966.26 U14.12@3222.4,3008.59 ; U14.12@3222.4,3008.59 U14.13@3222.4,3044.02